# Allegro board T736_DEMO_CORE_AXP8191_LP4_4X_32X1_V0_5-draft.brd (continued)
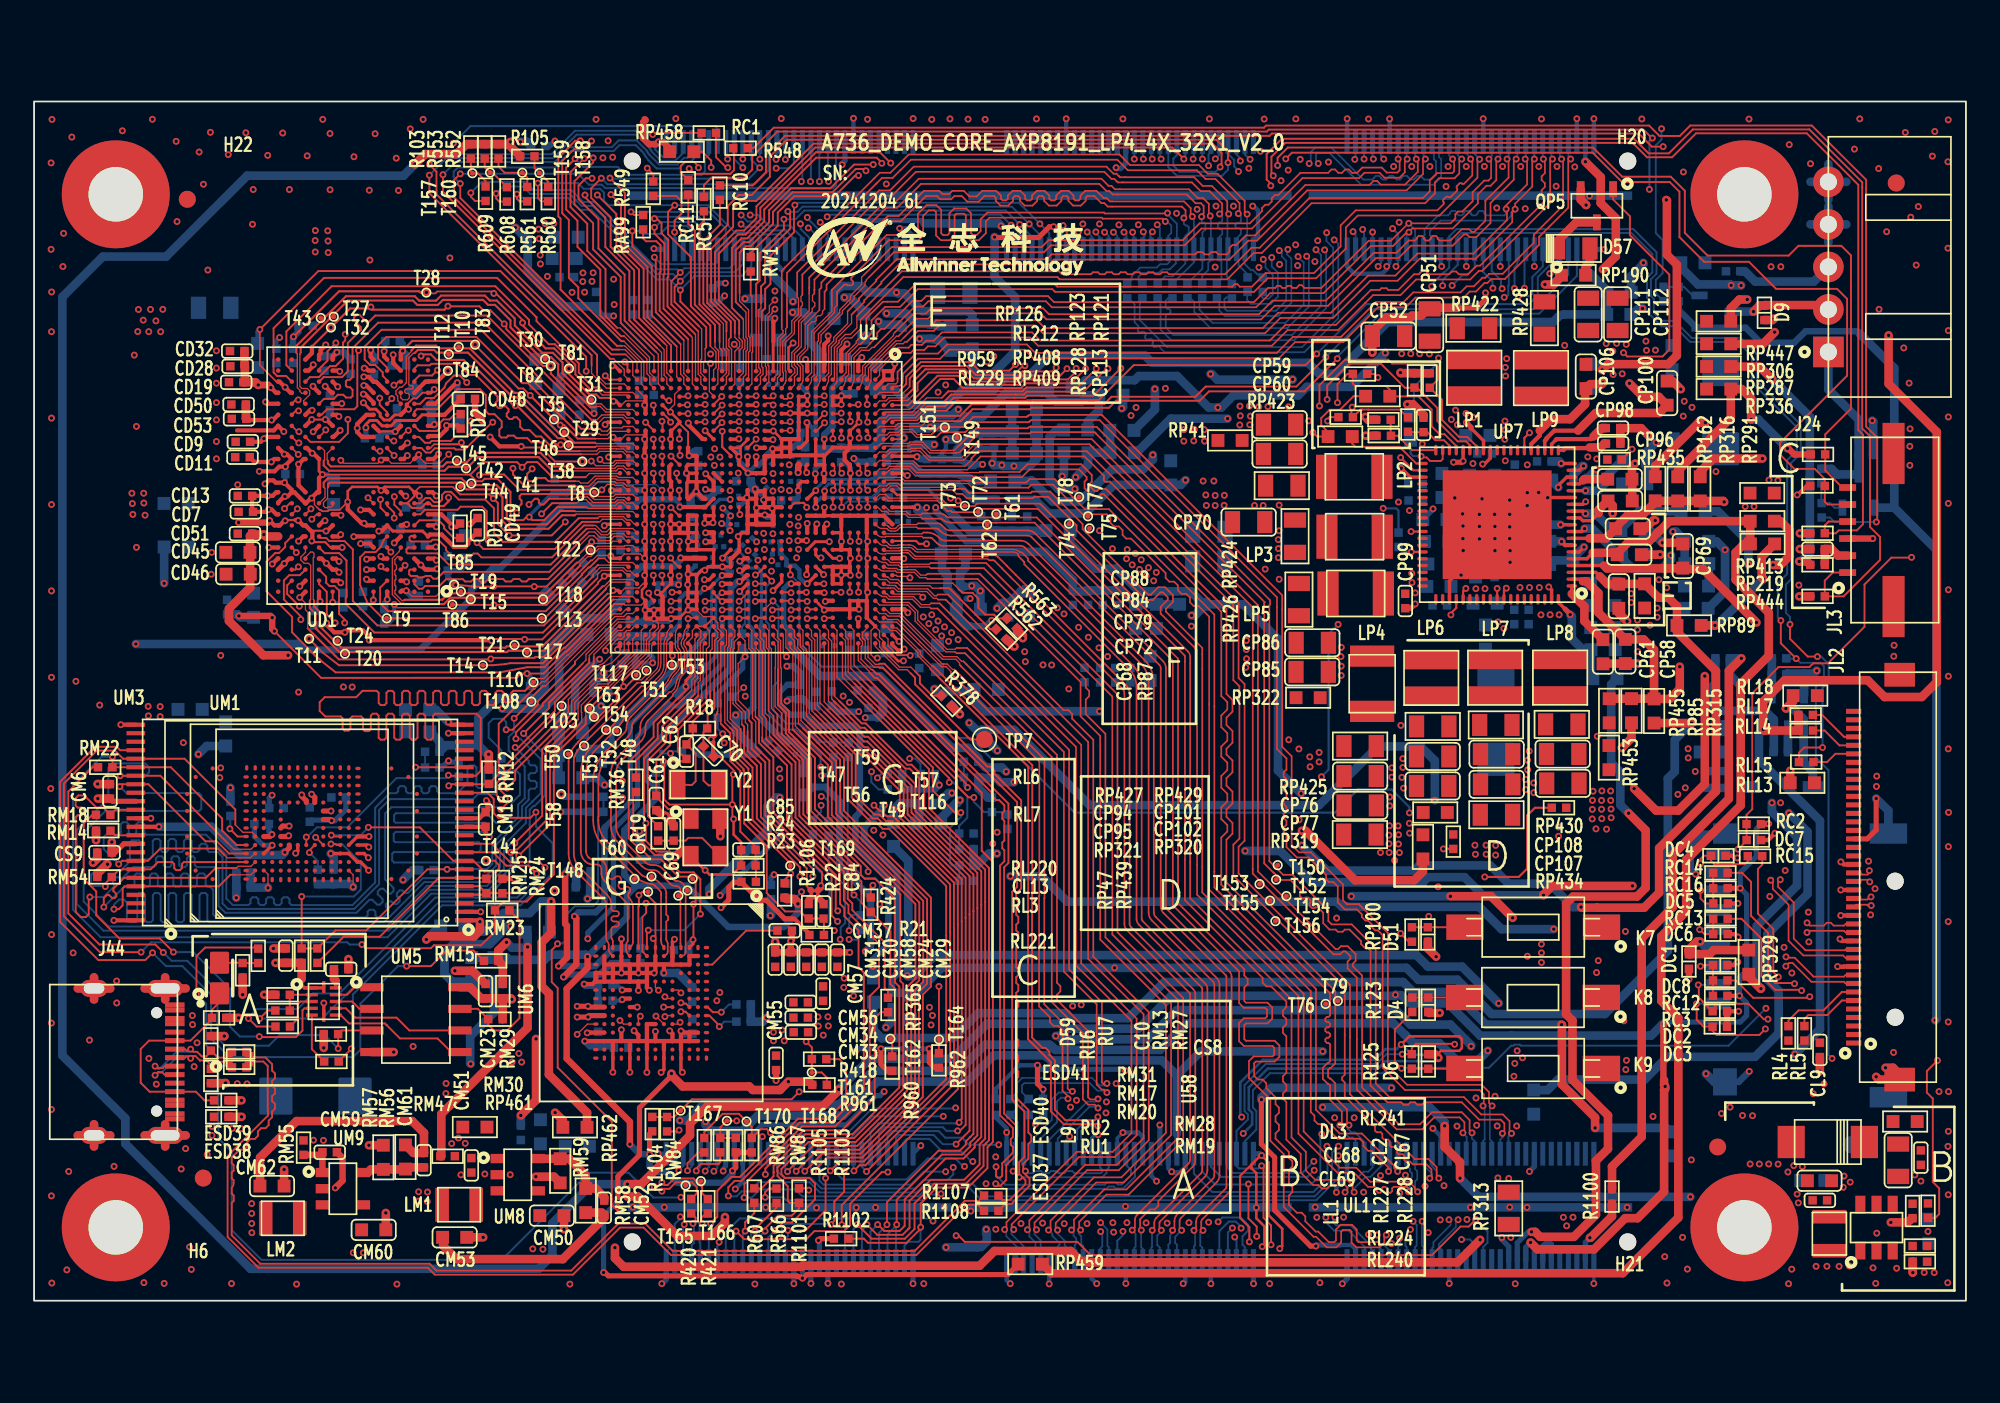
[diagram p0: board, top side]
## Routing (per net, layer and track width the routed paths; a pad name or vN(x,y) marks a point on that pad's centre or on a via; arc(x,y) is an arc through that point) (continued)
  TOP w0.254: UD1.K11 15.29,47.53 UD1.J10 15.97,46.88 16.27,47.18 v1(16.31,47.18) 16.31,47.21 16.64,47.53 UD1.K9 16.74,48.37 v1(16.94,48.57) ; UD1.K11 14.91,47.3 14.75,47.3 v1(14.74,47.28) 14.7,47.28 14.34,46.93 UD1.J12 ; UD1.K11 15.14,47.66 v1(14.72,48.09) 14.2,48.09 14.06,48.23 13.78,48.23 v1(13.57,48.02) ; U1.AH30 36.97,40.1 v1(37.42,40.1) 37.47,40.15 U1.AF30 ; U1.AH30 U1.AH29 ; U1.AH30 36.87,40.1 v1(36.42,40.1) ; v1(43.36,46.59) 43.36,46.59 43.41,46.65 ; v1(43.36,46.59) 43.36,46.53 43.42,46.47 U1.R18 42.97,46.15 v1(42.93,46.19) 42.47,46.19 U1.U18 ; v1(43.36,46.59) 43.29,46.59 43.23,46.65 42.93,46.65 U1.T17 ; v1(35.9,40.61) 35.92,40.63 U1.AK28 ; v1(35.9,40.61) v1(36.42,40.61) ; v1(35.9,40.61) 35.92,40.58 U1.AK30 35.97,40.1 v1(36.42,40.1) ; v1(21.89,45.64) 21.73,45.64 21.67,45.58 UD1.G3 ; v1(37.34,15.86) 37.51,15.7 UM6.E12 ; v1(37.01,19.27) UM6.F3 ; UM6.F3 UM6.G3 ; UM6.F3 UM6.E3 ; UM6.M12 UM6.N12 UM6.P12 32.36,15.26 v1(32.36,15.26) ; UM6.M12 UM6.M13 ; UM6.M12 UM6.L12 ; U1.A2 U1.B2 U1.C3 ; DC6.1 99.95,21.55 v1(100.12,21.38) ; JL2.19 v1(106.14,24.15) ; U1.D18 U1.D20 ; U1.D18 U1.E18 U1.F18 U1.G18 ; U1.D18 U1.C18 U1.B18 U1.A19 ; v1(17.84,53.73) UD1.Y8 ; v1(34.28,38.28) 34.3,38.3 34.3,38.37 34.42,38.5 U1.AN33 ; v1(37.4,45.65) v1(37.9,45.65) ; v1(37.4,45.65) 37.4,46.12 U1.AG18 ; v1(37.4,45.65) 37.4,45.17 U1.AG20 ; v1(37.9,45.65) 38.41,45.65 ; v1(37.9,45.65) 37.92,45.63 U1.AF20 ; v1(28.62,50.23) 27.34,50.23 v1(26.79,50.77) ; v1(42.86,47.08) 42.92,47.15 U1.T15 42.87,47.59 42.48,47.59 v1(42.36,47.71) 42.36,47.57 42.36,47.56 42.36,47.54 42.42,47.48 U1.U16 ; v1(42.86,47.08) 42.86,46.99 42.92,46.93 U1.T17 ; v1(42.86,47.08) 42.95,47.08 42.95,47.09 42.98,47.09 43.04,47.15 U1.R16 43.42,46.66 43.41,46.65 ; UM6.K12 UM6.J12 ; UM6.K12 UM6.L12 ; UM6.K12 UM6.K13 ; UM6.J12 35.51,15.62 v1(35.25,15.87) ; UM6.J12 UM6.H12 ; v1(23.63,45.49) 23.54,45.58 UD1.G1 ; U1.P10 43.86,50.08 v1(43.39,50.08) 43.41,50.06 43.41,49.65 ; v1(21.93,50.42) 21.92,50.41 21.89,50.41 21.61,50.13 UD1.P3 ; U1.AC16 39.32,47.15 v1(38.9,47.57) ; v1(48.97,41.65) 48.92,41.7 U1.D26 ; U1.AE10 38.42,49.73 v1(38.48,49.67) 38.9,49.67 U1.AD11 U1.AD12 ; U1.V15 41.92,47.3 41.88,47.25 41.88,47.22 v1(41.87,47.21) ; 46.42,49.65 46.37,49.7 44.47,49.7 U1.N11 ; v1(20.38,43.76) 20.51,43.63 UD1.D4 ; U1.W22 41.42,44.08 40.99,43.65 U1.Y23 ; v1(42.44,46.61) 42.44,46.67 42.42,46.68 U1.U16 ; v1(42.44,46.61) 42.46,46.61 42.5,46.65 U1.T17 ; v1(42.44,46.61) 42.44,46.59 42.42,46.57 U1.U18 ; UM6.C11 38.1,15.76 v1(38.01,15.85) UM6.D12 ; UM6.C11 UM6.C12 ; UM6.C11 UM6.B11 ; CM16.2 26.17,28.36 UM3.13 ; UM6.G12 UM6.H12 ; UM6.G12 UM6.F12 ; UM6.G12 v1(36.51,15.83) ; UM6.H12 UM6.H13 ; UM6.H12 UM6.H10 UM6.G10 ; U1.U18 U1.U19 U1.V19 ; U1.U18 U1.V18 ; U1.AG26 37.42,42.62 v1(37.4,42.65) 37.42,42.68 U1.AG24 ; U1.AD14 38.92,47.59 v1(38.9,47.57) ; JL2.13 106.21,21.15 v1(106.1,21.26) ; 43.41,46.65 U1.P17 ; UD1.G5 19.51,45.58 v1(19.39,45.7) 19.24,45.7 18.43,46.52 v1(18.43,46.96) ; UM6.J3 UM6.J2 ; UM6.J3 UM6.H3 ; UM6.J3 v1(35.51,19.27) ; UM6.J3 UM6.K3 ; UD1.D11 14.99,43.63 v1(14.7,43.34) ; UD1.V12 13.72,52.73 v1(13.61,52.84) ; v1(41.87,47.21) 41.92,47.21 41.98,47.15 U1.U16 ; v1(41.87,47.21) 41.84,47.21 41.77,47.15 U1.W16 ; v1(41.87,47.21) 41.92,47.16 U1.V17 U1.V18 ; JL2.16 v1(106.14,22.65) ; U1.L1 45.42,55.24 v1(45.33,55.33) ; UM6.E3 UM6.E2 UM6.E1 ; UM6.E3 UM6.D3 UM6.C3 UM6.C2 UM6.B2 ; U1.AK4 35.92,52.7 v1(35.87,52.65) 35.92,52.6 U1.AK6 ; v1(34.51,15.93) UM6.L12 ; U1.AG20 37.42,44.68 v1(37.4,44.65) 37.42,44.62 U1.AG22 ; U1.AG20 U1.AF20 ; UM6.N3 UM6.N4 ; UM6.N3 UM6.M3 ; UM6.N3 UM6.N2 ; UM6.N4 UM6.M4 ; UM6.N4 UM6.N5 ; UM6.N4 UM6.P4 ; UM6.K3 35.01,19.27 ; UM6.K3 UM6.L3 ; 35.01,19.27 v1(34.51,19.27) ; 35.01,19.27 v1(35.51,19.27) ; 35.01,19.27 UM6.K5 ; v1(47.97,47.64) 47.92,47.68 U1.F14 ; U1.V19 U1.V20 ; U1.V19 U1.V18 ; 38.41,45.65 38.42,45.66 U1.AE18 U1.AD18 ; 38.41,45.65 38.42,45.64 U1.AE20 U1.AF20 ; v1(23.67,43.02) 23.67,43.02 23.63,42.98 UD1.C1 22.99,42.98 v1(22.72,43.25) 22.52,43.46 UD1.D2 ; 15.35,45.9 15.5,45.9 v1(15.52,45.87) 15.81,45.58 UD1.G10 16.35,45.17 16.35,44.7 v1(16.32,44.66) ; v1(26.88,38.81) 26.85,38.83 v1(19.69,38.83) 19.69,39.04 19.32,39.41 18.38,39.41 v1(18.26,39.3) 17.63,39.3 17.18,39.75 v1(17.18,39.84) ; v1(34.51,19.27) 34.5,19.26 UM6.M4 ; v1(34.51,19.27) UM6.L3 ; v1(24.87,53.97) 24.82,53.97 23.58,52.73 UD1.V1 ; UM6.H3 36.01,19.27 ; UM6.H3 UM6.G3 ; 36.01,19.27 v1(35.51,19.27) ; 36.01,19.27 UM6.H5 ; 36.01,19.27 v1(36.43,19.27) 36.51,19.34 UM6.G3 ; v1(19.78,55.89) 19.78,55.5 UD1.AB5 ; U1.AE24 v1(38.42,42.71) 38.42,42.61 38.42,42.61 38.42,42.11 v1(38.4,42.1) ; 47.42,45.52 U1.G18 ; U1.G18 U1.H18 ; DC8.1 99.84,19.73 99.99,19.89 100.07,19.89 v1(100.1,19.92) ; v1(16.31,51.8) UD1.T10 ; 14.71,45.85 14.44,45.58 UD1.G12 14.12,45.58 v1(13.84,45.86) ; 14.71,45.85 14.75,45.9 ; 14.71,45.85 v1(14.75,45.85) ; v1(106.15,25.8) 106.17,25.8 106.32,25.65 JL2.22 ; UD1.T8 17.17,51.8 v1(17.11,51.8) ; UM3.48 v1(4.69,22.36) ; U1.AG16 37.4,47.18 v1(37.4,47.65) 37.42,47.68 U1.AG14 37.32,48.25 37.32,49.05 U1.AG12 ; 20.27,51.1 UD1.T5 ; UD1.T1 23.43,51.43 v1(23.51,51.52) ; U1.E28 48.42,40.69 v1(48.47,40.65) 47.92,40.65 U1.F29 U1.H29 46.47,40.65 v1(46.42,40.61) ; UD1.A3 21.6,41.74 v1(21.87,41.74) ; UD1.E5 19.72,44.51 v1(19.18,44.51) ; v1(47.96,48.65) 47.92,48.68 U1.F12 47.9,49.15 47.62,49.43 47.62,49.83 47.79,50 47.79,50.01 U1.F10 47.92,50.58 47.95,50.61 v1(47.95,50.71) 47.95,50.8 47.92,50.83 U1.F8 ; v1(45.42,52.18) 45.39,52.15 U1.M6 ; v1(16.39,53.76) 16.45,53.7 16.45,53.68 UD1.W9 ; U1.J14 46.42,48.59 46.41,48.6 v1(46.41,48.63) 46.41,48.65 46.42,48.67 U1.J12 ; UM6.H5 36.01,18.4 v1(36.15,18.25) ; UM6.H5 UM6.J5 ; v1(13.24,48.76) 14.13,48.76 14.4,49.03 v1(14.77,49.03) 14.77,49.1 UD1.N11 14.86,49.77 v1(14.7,49.77) 14.7,49.78 UD1.P12 ; U1.G1 47.42,55.88 47.76,56.22 v1(47.76,56.24) ; 43.41,49.65 43.42,49.63 U1.R12 ; 43.41,49.65 U1.T11 U1.T13 U1.U13 41.95,48.65 v1(41.95,48.66) ; 43.41,49.65 U1.P11 U1.N11 ; 40.03,33.26 v1(39.77,33) 39.77,32.96 39.9,32.83 39.9,32.03 C70.2 ; v1(18.08,52.75) 18.06,52.73 UD1.V8 ; U1.G20 47.42,44.64 v1(47.43,44.63) 47.42,44.62 U1.G22 ; UM6.D12 UM6.D13 ; UM6.D12 UM6.E12 ; UM6.D12 UM6.C12 ; U1.F22 47.92,43.68 v1(47.96,43.65) ; v1(43.53,57.76) 43.53,57.65 43.44,57.56 43.44,56.4 ; v1(14.68,51.1) 14.34,51.43 UD1.T12 14.08,51.16 11.93,51.16 ; UM6.M5 UM6.N5 ; UM6.M5 UM6.K5 ; UM6.M5 UM6.M4 ; UM6.N5 UM6.P5 32.95,18.76 32.8,18.61 v1(32.32,18.61) ; UM6.E12 UM6.F12 ; v1(35.87,42.65) 35.92,42.7 U1.AK24 35.92,43.6 v1(35.87,43.65) 35.92,43.7 U1.AK22 35.92,44.6 v1(35.87,44.65) 35.92,44.7 U1.AK20 35.92,45.6 v1(35.87,45.65) 35.92,45.7 U1.AK18 35.92,46.6 v1(35.87,46.65) 35.92,46.7 U1.AK16 35.92,47.6 v1(35.87,47.65) 35.92,47.7 U1.AK14 35.92,48.6 v1(35.87,48.65) 35.92,48.7 U1.AK12 35.92,49.6 v1(35.87,49.65) 35.87,50.1 U1.AK10 35.92,50.6 v1(35.87,50.65) 35.92,50.7 U1.AK8 ; UM6.J5 UM6.K5 ; UM6.J5 v1(35.51,18.24) ; UM3.2 v1(26.24,22.86) ; U1.AE16 38.48,47.15 v1(38.9,47.57) ; UD1.K2 22.41,47.53 v1(22.63,47.31) ; v1(48.63,55.45) 48.42,55.24 U1.E1 ; U1.AG10 37.42,50.62 v1(37.4,50.65) 37.42,50.68 U1.AG8 ; DC4.1 99.77,26.16 99.9,26.03 v1(100.07,26.03) ; v1(17.15,45.25) 17.21,45.25 UD1.G8 ; UM1.AA6 v1(19.68,27.29) ; UD1.AB3 21.54,55.75 21.63,55.84 v1(21.66,55.84) ; v1(36.42,40.61) 36.47,40.65 U1.AH29 ; v1(36.42,40.61) v1(36.42,40.1) ; UM6.L3 UM6.M3 ; UM6.L3 UM6.L2 ; UM6.M3 UM6.M4 ; v1(20.39,49.42) 20.45,49.48 UD1.N4 ; v1(37.5,37.91) 37.42,37.99 U1.AG33 ; UD1.N9 16.41,49.82 v1(16.34,49.82) 16.03,50.13 UD1.P10 ; UM3.23 v1(24.34,33.36) ; 44.44,50.65 U1.M9 ; 44.44,50.65 44.42,50.63 U1.N11 ; 44.44,50.65 U1.P9 ; UD1.E1 23.57,44.28 v1(23.6,44.31) ; UD1.K4 20.64,47.64 v1(20.39,47.64) ; v1(46.66,56.72) 46.66,56.44 46.42,56.21 U1.J1 ; UM6.C12 UM6.B12 ; UD1.W2 22.99,54.03 UD1.Y1 23.16,54.05 23.7,54.05 v1(24.31,54.67) ; v1(19.35,53.3) 19.45,53.3 19.94,52.8 UD1.V5 ; U1.AD22 U1.AE22 ; v1(40.42,41.11) 40.46,41.15 U1.Y28 ; UM6.F12 UM6.F13 ; UD1.T3 21.54,51.41 v1(21.22,51.09) ; 16.32,56.07 16.32,55.71 UD1.AB10 ; DC5.1 v1(100.1,23.36) ; v1(51.34,40.44) 51.13,40.65 U1.A29 ; U1.H4 47.37,53.15 v1(47.42,53.2) ; U1.AH29 U1.AH28 36.92,41.39 36.67,41.65 36.63,41.65 v1(36.62,41.64) ; v1(13.79,44.28) UD1.E12 ; UM6.G3 UM6.G2 ; v1(48.42,40.09) U1.E31 ; U1.AD27 U1.AD28 38.46,41.15 v1(38.42,41.11) ; 46.92,42.67 U1.H24 U1.G24 U1.F24 47.92,42.68 v1(47.96,42.65) ; 46.92,42.67 46.93,42.66 ; 46.92,42.67 U1.H26 ; v1(105.96,19.65) 105.98,19.63 106.32,19.63 106.33,19.65 JL2.10 ; UD1.Y12 14.42,54.03 v1(14.75,53.7) 15.07,53.38 UD1.W11 ; UM6.N11 UM6.P11 32.66,15.76 32.65,15.75 v1(32.5,15.75) ; v1(17.92,42.82) 17.76,42.98 UD1.C8 17.54,42.98 v1(17.17,43.35) 16.89,43.63 UD1.D9 ; U1.L18 U1.K18 U1.J18 46.42,46.63 v1(46.43,46.64) ; DC7.1 101.88,27.08 v1(102.28,27.48) ; v1(19.53,42.98) UD1.C5 ; UD1.E8 v1(18.1,44.28) ; UD1.W4 20.09,54.03 UD1.Y5 19.66,54.31 v1(19.37,54.31) ; 49.93,54.65 U1.A1 ; UD1.N2 v1(22.6,49.74) ; UD1.A10 v1(15.61,41.34) ; U1.A23 51.08,43.65 v1(51.1,43.63) ; UM3.25 v1(5.1,33.86) ; UM3.36 v1(6.86,28.36) ; UD1.AB8 17.54,55.52 v1(17.79,55.76) ; DC2.1 v1(100.15,17.02) ; U1.D30 U1.D28
  TOP w0.305: U1.U19 U1.R19 U1.R18 ; v1(15.73,29.74) 15.73,29.66 15.99,29.39 UM1.R10 ; v1(108.23,29.53) 108.23,27.68 107.7,27.15 JL2.25 ; 83.62,58.36 84.76,58.36 85.28,58.88 v1(85.28,59.25) ; UM6.P4 UM6.P5 ; v1(26.57,29.4) 26.66,29.32 26.66,28.85 CM16.2 ; v1(14.7,43.34) 14.7,43.34 UD1.C12 ; CD49.2 26.02,46.01 25.67,45.66 v1(25.61,45.66) ; CP99.1 80.89,40.71 v1(81.14,40.96) ; UM1.U8 17.38,28.29 17.45,28.22 v1(17.49,28.22) ; v1(14.99,27.91) 14.61,27.91 UM1.M7
  TOP w0.381: JL3.3 v1(108.03,44.81) ; v1(45.85,23.92) 46.22,24.28 v1(46.22,24.4) ; v1(45.85,23.92) 45.62,24.15 ; v1(45.85,23.92) 45.51,23.57 R22.1 ; v1(45.85,23.92) 46.38,23.38 C84.2 ; v1(12.03,40.26) 13.89,40.26 v1(13.99,40.15) 13.99,39.49 v1(14.12,39.37) ; v1(26.3,51.76) 26.3,51.77 25.91,52.16 CD48.2 ; CM59.1 18.13,8.4 18.13,7.06 v1(17.7,6.63) ; RP458.2 37.35,67.74 36.96,68.12 v1(36.69,68.12) 36.67,68.12 36.54,67.99 36.13,67.99 35.78,68.34 35.78,69.27 35.92,69.41 35.88,69.46 ; CM30.2 v1(44.46,21.15) 44.53,21.22 CM37.2 ; CM30.2 CM58.2 CM24.2 CM29.2 v1(47.92,20.48) ; CM30.2 CM31.2 ; v1(13.84,45.86) 13.73,45.75 v1(12.02,45.75) ; v1(43.59,12.95) CM55.2 ; DC1.1 v1(97.22,18.9) ; DC3.1 99.46,17.01 DC2.1
  TOP w0.508: ESD41.1 v1(12.02,16.63) ; v1(37.66,26.08) 38.05,26.47 38.23,26.47 Y1.2 ; J44.3 4.48,18.36 ; J44.3 3.52,19.01 ; J44.3 3.52,17.71 ; J44.3 2.57,18.36 ; v1(58.09,38.95) 58.09,39.1 57.76,39.38 R563.1 ; CP113.1 81.63,52.08 81.01,52.7 v1(80.67,52.7) ; 83.62,58.36 82.05,58.36 CP51.1 81.56,57.99 81.48,57.91 80.95,57.91 80.84,57.8 79.43,57.8 78.62,56.99 CP52.1 v1(78.62,55.74) ; D6.1 82.3,14.49 v1(82.51,14.28) ; v1(31.13,4.2) CM50.2 ; ESD40.1 11.18,15.55 v1(11.18,15.56) ; v1(57.6,38.46) 57.57,38.46 57.24,38.79 R562.1 ; CS9.2 3.72,26 v1(3.46,25.75) ; v1(95.67,44.56) 96.79,44.56 CP69.2 ; v1(108.23,13.17) 108.39,13 JL2.42 109.61,13.31 109.21,13.7 v1(108.77,13.7) ; Y1.4 v1(40.32,27.3) ; CP79.2 94.65,45.39 95.14,45.88 v1(95.25,45.88) ; v1(93.59,39.94) 93.11,40.43 CP68.2 ; v1(96.74,53.58) 96.26,54.07 CP100.2 ; R378.1 53.9,34.97 v1(54.39,34.48) ; v1(82.58,16.92) 81.97,16.92 D4.1 ; J44.2 8.91,9.72 ; J44.2 7.7,9.07 ; J44.2 7.7,10.37 ; J44.2 6.5,9.72 ; CS8.2 v1(18.47,20.09) ; CP84.2 93.9,48.28 CP88.2 93.88,49.03 v1(94.06,49.22) ; J44.1 8.91,18.36 ; J44.1 7.7,17.71 ; J44.1 7.7,19.01 ; J44.1 6.5,18.36 ; CM31.2 v1(43.54,21.11) ; v1(94.83,50.87) 94.42,51.29 93.2,51.29 ; CM60.2 v1(20.66,5.16) ; J44.4 3.52,10.37 ; J44.4 3.52,9.07 ; J44.4 2.57,9.72 ; J44.4 4.48,9.72 ; ESD39.1 v1(12.19,11.78) ; ESD38.1 v1(12.2,10.81) ; v1(110.38,1.65) 110.37,1.67 RL240.1 ; v1(95.53,43.87) 95.52,43.86 CP72.2 ; ESD37.1 11.24,12.79 v1(11.26,12.8) ; RL227.1 110.05,4.61 v1(109.08,4.61) ; 93.2,51.29 CP96.2 ; 93.2,51.29 CP98.2 ; v1(82.37,20.23) 81.89,20.71 D51.1 ; RP409.2 v1(78.24,50.85) ; v1(3.74,30.38) 3.75,30.37 CM6.2 ; UM5.4 v1(21.13,14.62) ; CM62.2 v1(14.69,7.72) ; v1(91.18,64.41) 91.18,64.42 90.87,64.74 QP5.2 ; v1(102.22,57.74) 102.14,57.65 D9.1 ; CM53.2 v1(26.39,3.73) ; RM59.1 30.55,7.29 v1(29.48,7.29) ; C69.2 37.45,28.26 37.16,28.43 37.12,28.46 v1(37.11,28.49) 37.07,28.49 37.04,28.52 37.02,28.52 C61.2 ; C10.2 v1(14.06,20.71) ; CL9.1 v1(104.92,13.49) ; RL13.1 v1(103.18,31.16) ; v1(24.72,19.4) 25.75,19.4 26.28,18.87 CM23.2 ; RM57.1 v1(19.68,9.14) ; CL13.2 v1(103.73,44.19) ; CP61.2 92.18,37.46 CP58.2 v1(94.21,37.46)
  L2GND w0.508: J44.4 3.52,10.37 ; J44.4 3.52,9.07 ; J44.4 2.57,9.72 ; J44.4 4.48,9.72 ; J44.2 8.91,9.72 ; J44.2 6.5,9.72 ; J44.2 7.7,10.37 ; J44.2 7.7,9.07 ; 6.5,18.36 J44.1 ; J44.1 7.7,17.71 ; J44.1 7.7,19.01 ; J44.1 8.91,18.36 ; 3.52,17.71 J44.3 ; J44.3 4.48,18.36 ; J44.3 3.52,19.01 ; J44.3 2.57,18.36 ; J24.5 105.42,66.83 ; J24.5 105.42,64.72 ; J24.5 106.47,65.78 ; J24.5 104.36,65.78 ; 105.42,62.22 J24.4 ; J24.4 105.42,64.33 ; J24.4 106.47,63.28 ; J24.4 104.36,63.28
  L3 w0.508: J44.4 3.52,10.37 ; J44.4 4.48,9.72 ; J44.4 2.57,9.72 ; J44.4 3.52,9.07 ; J44.2 7.7,10.37 ; J44.2 8.91,9.72 ; J44.2 7.7,9.07 ; J44.2 6.5,9.72 ; J24.4 105.42,64.33 ; J24.4 104.36,63.28 ; J24.4 106.47,63.28 ; 105.42,64.72 J24.5 ; J24.5 104.36,65.78 ; J24.5 105.42,66.83 ; J24.5 106.47,65.78
  L4 w0.076: v1(36.42,40.61) v1(35.9,40.61)
  L4 w0.114: v1(14.75,53.7) 14.47,53.7 v1(13.61,52.84) ; v1(15.24,56.67) 15.5,56.93 15.5,57.56 16.91,58.96 19.24,58.96 v1(19.79,58.42) 20.64,59.27 23.04,59.27 v1(23.05,59.28) 23.05,59.28 23.06,59.27 26.96,59.27 v1(27.01,59.22) 31.54,59.22 v1(31.61,59.28) 32.34,59.28 v1(32.35,59.29) ; v1(72.33,43.01) 72.43,42.91 72.43,41.68 72.69,41.41 72.69,34.91 73.64,33.96 73.64,33.06 v1(73.71,32.98) 73.64,32.9 73.64,31.35 76.16,28.83 76.16,25.76 78.25,23.67 78.25,20.74 80.45,18.54 80.45,16.53 79.59,15.68 79.59,13.48 80.21,12.87 80.21,12.16 78.8,10.76 v1(77.56,10.76) v1(76.41,10.76) 75.47,10.76 75.23,10.51 75.23,9.55 75.39,9.39 75.75,9.39 75.79,9.43 75.8,9.43 75.93,9.56 78.25,9.56 80.8,12.11 80.8,14.59 v1(80.32,15.07) 80.32,15.49 80.9,16.07 80.9,18.93 78.74,21.1 78.74,23.91 76.71,25.93 76.71,28.97 76.6,29.09 76.58,29.09 74.38,31.29 74.38,32.37 v1(74.31,32.44) 74.31,33.94 73.15,35.09 v1(73.15,42.41)
  L4 w0.127: v1(73.19,3.06) 73.19,3.3 72.64,3.84 72.31,3.84 ; 72.31,3.84 72,4.15 71.68,4.15 71.46,3.94 71.46,3.53 v1(71.4,3.46) 71.36,3.46 70.61,2.71 46.13,2.71 45.87,2.97 38.7,2.97 36.44,5.22 v1(36.44,6.71) 36.44,7.48 37.63,8.67 39.85,8.67 40.87,9.7 40.87,10.85 41.91,11.89 41.91,26.49 42.39,26.96 42.39,31.8 41.87,32.31 41.87,35.35 41.78,35.44 v1(41.78,35.54) ; 72.31,3.84 72.24,3.77 72.24,3.26 v1(72.16,3.18) ; v1(15.24,56.67) 11.54,52.96 11.54,46.57 12.02,46.09 v1(12.02,45.75) 12.02,44.35 13.99,42.38 v1(13.99,40.15) 16.84,37.31 20.53,37.31 20.95,37.73 v1(26.83,37.73) 27.06,37.73 27.17,37.83 31.86,37.83 36.1,42.08 37.06,42.08 37.4,42.41 v1(37.4,42.65)
  L4 w0.152: v1(80.32,48.94) 80.43,49.05 81.61,49.05 81.88,49.31 81.88,50.05 v1(81.56,50.37) 81.54,50.39 80.59,50.39 80.56,50.41 78.91,50.41 78.47,50.85 v1(78.24,50.85) 77.98,50.85 77.56,50.44 75.29,50.44 74.7,49.85 74.7,35.68 78.04,32.34 79.93,32.34 80.4,31.87 v1(80.41,31.87) 80.42,31.86 v1(80.42,31.35) 80.36,31.29 v1(80.36,30.77) 80.36,30.47 80.46,30.36 v1(80.46,30.13) 81.2,29.4 81.2,23.64 81.94,22.9 v1(81.94,22.6) 82.24,22.6 83.36,21.48 83.36,16.69 83.01,16.35 83.01,14.78 v1(82.51,14.28) 83.4,14.28 83.98,14.86 83.98,21.93 82.38,23.52 82.38,24.19 82.43,24.24 82.43,24.27 v1(82.49,24.33) 82.44,24.39 82.39,24.39 81.78,24.99 81.78,31.86 80.41,33.22 79.85,33.22 ; v1(72.16,3.18) 72.18,3.15 72.18,2.94 71.44,2.2 45.83,2.2 45.55,2.47 38.51,2.47 35.8,5.18 35.8,7.71 36.67,8.57 v1(36.67,8.64) 37.18,9.16 39.47,9.16 40.39,10.07 40.39,10.13 40.39,10.13 40.39,10.54 40.39,11.24 41.31,12.16 41.31,26.94 41.83,27.46 41.83,31.47 40.55,32.75 v1(40.55,32.79) ; 40.64,26.07 40.8,25.91 40.8,12.37 39.9,11.47 39.9,10.34 39.21,9.65 36,9.65 35.5,9.16 35.5,8.11 35.29,7.89 35.29,6.33 35.3,6.32 35.3,5.61 v1(35.19,5.5) 35.19,5.09 38.3,1.98 45.34,1.98 45.62,1.7 71.91,1.7 73.19,2.98 v1(73.19,3.06)
  L4 w0.508: J44.4 3.52,10.37 ; J44.4 4.48,9.72 ; J44.4 2.57,9.72 ; J44.4 3.52,9.07 ; J44.3 4.48,18.36 ; J44.3 2.57,18.36 ; J44.3 3.52,19.01 ; J44.3 3.52,17.71
  L5GND w0.508: J44.2 8.91,9.72 ; J44.2 7.7,10.37 ; J44.2 6.5,9.72 ; J44.2 7.7,9.07 ; J44.3 3.52,19.01 ; J44.3 4.48,18.36 ; J44.3 2.57,18.36 ; J44.3 3.52,17.71 ; J24.4 105.42,64.33 ; J24.4 104.36,63.28 ; J24.4 106.47,63.28 ; J24.4 105.42,62.22 ; J24.5 106.47,65.78 ; J24.5 105.42,66.83 ; J24.5 105.42,64.72 ; J24.5 104.36,65.78 ; J44.1 8.91,18.36 ; J44.1 6.5,18.36 ; J44.1 7.7,19.01 ; J44.1 7.7,17.71 ; J44.4 4.48,9.72 ; J44.4 3.52,9.07 ; J44.4 2.57,9.72 ; J44.4 3.52,10.37
  BOTTOM w0.076: J48.182 57.46,5.49 57.26,5.29 55.05,5.29 v1(55.03,5.27) ; 75.55,1.24 v1(75.55,1.06) ; v1(108.77,13.7) 108.9,13.7 ; 70.94,64.97 J47.182
  BOTTOM w0.114: J48.75 60.64,9.45 v1(60.84,9.65) ; J47.83 66.14,63.06 65.99,63.21 v1(65.99,63.26) ; J47.105 60.64,62.41 60.41,62.64 60.41,63.07
  BOTTOM w0.152: C46.2 41.41,44.07 41.97,43.51 C35.2 ; v1(71.04,9.83) 71.29,10.09 71.56,10.36 71.56,11.05 71.36,11.25 71.36,12.53 72.48,13.65 78.96,13.65 79.4,14.09 82.32,14.09 v1(82.51,14.28) 82.33,14.46 80.96,14.46 80.35,15.07 v1(80.32,15.07) 80.05,14.79 79.4,14.79 79.35,14.74 79.34,14.74 78.77,14.16 72.2,14.16 70.87,12.84 70.87,10.88 v1(70.95,10.8) ; v1(60.46,63.2) 60.41,63.16 60.41,63.07
  BOTTOM w0.203: v1(29.09,46.07) 29.09,46.14 30.42,47.47 CD58.2 ; v1(82.7,60.81) 82.7,60.93 82.64,60.98 J47.37 ; J47.49 79.64,60.97 v1(79.47,60.81) ; v1(63.97,9.89) 63.64,9.56 J48.87 ; J48.81 62.14,9.55 62.34,9.76 v1(62.51,9.76) ; v1(35.87,44.65) 35.87,44.31 35.67,44.11 CD36.2 ; J48.180 91.64,1.01 v1(91.64,1.01)
  BOTTOM w0.254: v1(48.14,69.51) 48.14,69.51 J47.136 ; C82.2 38.48,42.83 38.48,42.77 v1(38.42,42.71) ; v1(45.42,42.15) 45.33,42.15 44.97,42.52 44.97,42.95 44.71,43.21 44.26,43.21 C257.2 44.2,43.58 43.93,43.85 C55.2 ; v1(41.37,44.93) 41.62,45.18 41.84,45.18 ; v1(14.72,48.09) 14.77,48.14 CD12.2 v1(14.77,49.03) ; J48.143 82.64,9.67 v1(82.18,10.13) ; CD25.2 23.05,44.31 v1(23.6,44.31) ; CD38.2 38.84,46.65 C134.2 ; v1(85.14,69.49) 85.14,69.49 J47.28 ; v1(41.95,48.66) 42.41,49.12 C68.2 ; v1(91.64,69.49) 91.64,69.49 J47.2 ; v1(79.64,69.48) 79.64,69.48 J47.50 ; v1(76.51,6.37) 76.51,6.67 77.14,7.3 J48.121 ; v1(40.49,7.63) 40.49,7.76 40.64,7.91 J48.15 ; C247.2 53.34,49.83 53.57,50.06 v1(53.57,50.63) ; v1(16.94,48.57) 17.26,48.57 CD3.2 ; J47.59 77.14,60.8 77.56,60.38 78.78,60.38 78.79,60.38 79.14,60.38 79.15,60.38 79.2,60.38 79.47,60.65 v1(79.47,60.81) ; v1(42.79,9.65) 42.79,9.64 42.64,9.49 J48.23 ; CD47.2 21.83,45.64 v1(21.89,45.64) ; v1(60.64,69.49) 60.64,69.48 J47.106 ; CD17.2 13.13,56.96 v1(13.27,57.1) ; C65.2 40.83,42.84 40.52,43.15 v1(40.44,43.15) 39.9,43.15 C81.2 ; C83.2 38.71,44.92 v1(38.44,44.64) ; R967.1 56.51,10.77 57.14,10.14 v1(57.14,9.9) 57.14,9.35 57.15,9.35 57.15,8.99 57.14,8.98 J48.61 ; J47.121 51.64,62.61 51.21,63.04 v1(50.85,63.04) ; v1(66.83,7.58) 66.64,7.78 J48.99 ; v1(67.51,1) 67.64,1.13 J48.104 ; JC1.6 99.71,22.96 v1(100.1,23.36) ; J48.82 62.14,1.3 v1(62.43,1) ; v1(59.64,0.99) J48.72 ; CD4.2 17.04,39.7 v1(17.18,39.84) ; v1(41.2,6.57) 41.64,7.01 J48.19 ; v1(57.35,1) 57.14,1.22 J48.62 ; 47.96,48.95 47.69,49.23 C5.2 ; 64.14,1.02 J48.90 ; v1(22.6,49.74) 22.6,49.35 CD6.2 ; v1(21.17,40.93) 21.17,40.16 20.81,39.8 CD10.2 ; v1(71.6,64.35) 71.6,64.36 71.65,64.36 71.91,64.1 71.91,62.61 71.64,62.34 J47.61 ; v1(23.63,45.49) 23.66,45.53 CD15.2 ; v1(77.15,69.49) 77.14,69.48 J47.60 ; C79.2 41.56,46.79 41.87,47.11 v1(41.87,47.21) ; v1(22.63,47.31) 22.7,47.24 CD5.2 ; J48.110 v1(69.14,1) ; J48.59 51.64,8.66 v1(52.1,9.12) ; CD26.2 14.24,56.44 v1(14.42,56.63) ; J48.1 v1(36.67,8.64) ; J47.6 v1(90.64,69.49) ; v1(63.97,9.89) 64.89,9.89 65.14,9.64 J48.93 ; v1(45.42,52.69) 45.19,52.69 44.92,52.42 44.92,51.05 C132.2 ; CD24.2 19.62,44.51 v1(19.18,44.51) ; 83.14,1.02 J48.146
  BOTTOM w0.305: v1(45.42,53.2) 45.42,53.38 45.01,53.8 ; C37.2 40.17,35.68 40.84,36.36 C48.2 41.02,36.56 41.63,37.18 41.63,37.72 v1(41.77,37.86) ; CM7.2 16.29,28.25 17.46,28.25 v1(17.49,28.22) 17.67,28.22 18.32,28.87 CM15.2 ; v1(41.41,49.62) 41.41,49.37 41.92,48.85 41.92,48.68 ; J48.122 77.14,1.28 v1(76.86,1) ; J47.180 v1(36.69,68.12) ; v1(36.62,41.64) 36.62,41.69 36.66,41.73 36.66,41.91 C53.2 ; RM41.1 38.43,20.94 v1(38.72,21.22) ; CD8.2 34.54,50.24 v1(34.02,50.76) ; J47.179 36.52,61.81 36.5,61.84 36.43,61.84 v1(36.42,61.85) ; C76.2 44.95,47.69 v1(44.89,47.63) 44.89,47.2 C275.2 ; v1(13.98,29.72) 13.82,29.55 CM5.2 ; C68.2 42.57,49.12 C66.2 43,49.7 v1(43.39,50.08) 43.76,50.08 C74.2 43.87,50.15 C75.2 ; v1(83.14,1.01) 83.14,1.02 ; J48.32 v1(44.64,1) 44.64,0.99 ; v1(34.28,38.28) 34.42,38.14 C276.2 34.86,37.87 34.52,37.53 C42.2 ; C36.2 43.85,44.56 43.85,43.93 C55.2 ; v1(37.42,40.1) 37.28,39.95 C52.2 36.57,39.95 v1(36.42,40.1) ; J48.165 88.14,7.88 v1(87.86,7.6) ; v1(64.15,1.01) 64.14,1.02 ; J48.60 v1(51.64,1) 51.64,0.95 ; C43.2 36.33,41.06 36.23,41.06 35.97,40.79 35.97,40.67 v1(35.9,40.61) ; v1(24.77,42.08) 24.31,42.54 CD27.2 25.03,42.93 25.34,43.23 CD2.2 ; v1(47.96,48.65) 47.96,48.95 ; v1(28.96,36.87) 29.14,36.69 CM18.2 ; J48.36 45.64,1.02 v1(45.64,1.02) ; J48.120 71.64,1.01 v1(71.64,1) ; v1(66.83,7.58) 66.89,7.53 67.33,7.53 67.64,7.84 J48.103 ; v1(13.99,26.78) 13.47,26.78 12.95,27.29 CM9.2 ; C256.2 40.19,59.82 v1(40.61,59.82) ; J48.119 72.01,8.64 v1(72.12,8.54) ; C47.1 43.05,46.07 v1(42.93,46.19) ; v1(46.64,1.02) J48.40 ; C258.2 42.46,46.61 v1(42.44,46.61) ; J48.2 37.14,1.23 36.91,1 v1(36.88,1) ; R966.1 59.29,10.84 v1(58.83,10.38) ; CM21.2 23.96,31.35 v1(24.35,31.74) 24.43,31.66 RM11.2 ; CD52.2 20.29,50.78 20.56,51.05 21.18,51.05 v1(21.22,51.09) 21.34,51.21 CD22.2 ; C15.2 42.9,57.76 v1(43.53,57.76) ; v1(92.25,61.81) J47.1
  BOTTOM w0.381: CD54.2 30.84,54.22 v1(31.43,54.8) ; v1(32.32,18.61) 32.42,18.51 32.96,18.51 33,18.56 CM54.2 CM32.2 ; v1(33.91,47.64) 33.95,47.6 CD43.2 35.22,47.6 CD44.2 35.3,47.65 v1(35.87,47.65) ; C50.2 39.23,39.96 38.58,40.61 v1(38.42,40.61) ; CD34.2 21.87,55.63 v1(21.66,55.84) 21.66,56.25 CD14.2 ; v1(97.62,25.08) 97.33,25.37 97.33,26.82 97.97,27.46 JC1.10 ; C19.2 50.69,50.29 v1(51.11,50.71) ; v1(38.48,49.67) 38.76,49.95 CD57.2 ; v1(55,41.28) 54.8,41.28 ; v1(30.97,29.78) 31.12,29.63 R17.1 ; v1(21.87,41.74) 22.18,41.43 CD30.2 ; v1(19.78,55.89) 19.79,55.88 19.79,55.81 19.84,55.68 19.98,55.54 CD29.2 ; v1(32.36,15.26) 32.66,14.96 CM26.2 33.98,14.96 CM25.2 ; CM28.2 38.19,15.67 v1(38.01,15.85) ; 45,50.45 C132.2 ; 45,50.45 45.34,50.12 C274.2 ; 45,50.45 C75.2 ; R376.1 52.93,30.57 v1(53.19,30.31) 52.93,30.06 R20.1 51,30.06 R377.1 ; RD5.2 31.5,47.66 31.3,47.47 CD58.2 ; v1(44.24,35.25) 44.35,35.37 C268.2 45.21,35.37 45.63,34.95 R11.2 ; v1(41.77,37.86) 41.77,38.17 C40.2 ; C21.2 36.97,31.5 v1(36.97,31.71) ; v1(41.41,49.62) 41.37,49.65 C58.2 ; v1(47.42,53.2) 47.57,53.34 C14.2 ; v1(36.42,40.1) 36.24,39.91 CM4.2 CM3.2 ; 56.79,51.01 C72.2 ; JC1.11 100.15,12.86 v1(100.77,13.48) ; v1(24.87,53.97) 24.87,53.06 CD1.2 ; 55.01,39.65 55.91,39.65 v1(56.26,40) ; v1(17.11,51.8) 17.37,52.06 CD23.2 ; CD55.2 32.52,52.94 32.9,52.56 v1(32.9,52.15) ; C271.2 40.15,47.64 39.7,47.2 39.23,47.2 38.94,47.49 38.94,47.54 v1(38.9,47.57) 38.57,47.24 CD38.2 ; v1(51.87,49.62) 51.92,49.62 51.96,49.57 51.97,49.57 52.06,49.48 C248.2 C247.2 C250.2 C249.2 55.22,49.17 v1(55.73,49.17) ; CD56.2 15.53,56.96 v1(15.24,56.67) 15.22,56.64 CD31.2 ; CD20.2 18.19,55.76 v1(17.79,55.76) 17.56,55.53 CD33.2
  BOTTOM w0.508: 53.03,57.4 53.14,57.29 C11.2 ; 53.03,57.4 C12.2 ; 53.03,57.4 53,57.43 51.84,57.43 51.23,58.05 C13.2 50.09,58.05 v1(50.08,58.04) ; v1(37.01,19.27) 37.83,19.27 CM27.2 ; C19.2 50.08,49.56 C73.2 ; v1(33.45,36.9) 33.45,36.86 32.88,36.29 RM3.1 ; v1(51.11,50.71) 50.81,51.01 C18.2 ; 54.53,50.34 54.23,50.04 C250.2 ; 54.53,50.34 55.15,50.96 C64.2 55.54,51.01 C72.2 ; 54.53,50.34 54.24,50.63 v1(53.57,50.63) ; CM1.2 32.7,24.34 CM2.2 32.68,23.79 v1(32.52,23.63) ; v1(56.59,32.34) 56.13,32.81 C243.2 ; C71.2 57.38,51.01 56.79,51.01 ; C71.2 C63.2 ; C71.2 57.47,51.11 C131.2 ; C39.2 36.64,25.94 36.87,26.16 37.59,26.16 v1(37.66,26.08) ; J24.5 106.47,65.78 ; J24.5 105.42,64.72 ; J24.5 105.42,66.83 ; J24.5 104.36,65.78 ; v1(51.9,46.65) 51.9,46.49 52.01,46.49 53.38,45.12 53.38,43.99 C54.2 53.34,43.86 53.34,43 C34.2 53.67,42.67 C45.2 53.67,41.81 54.18,41.3 C130.2 54.18,40.25 54.78,39.65 55.01,39.65 ; v1(43.26,22.64) 43.3,22.68 C20.2 ; v1(50.05,16.06) 50.39,16.41 C241.2 ; v1(28.57,68.13) 28.96,68.13 C9.2 ; CM39.2 42.11,16.41 CM35.2 42.81,16.4 v1(43.05,16.64) ; CD16.2 12.11,40.18 v1(12.03,40.26) 11.94,40.35 CD21.2 ; 104.36,63.28 J24.4 ; J24.4 105.42,62.22 ; J24.4 105.42,64.33 ; J24.4 106.47,63.28 ; J44.1 7.7,19.01 ; J44.1 7.7,17.71 ; J44.1 6.5,18.36 ; CP74.2 94.75,49.34 CP105.1 94.77,49.94 95.28,50.45 v1(95.3,50.45) ; 103.99,36.87 QL2.2 ; 103.99,36.87 104.55,36.87 104.72,37.03 v1(104.73,37.03) ; 103.99,36.87 102.99,36.87 RL12.1 ; C41.2 38.78,36.58 v1(38.3,36.1) 37.86,35.66 C51.2 ; v1(91.77,48.86) 91.29,48.38 CP92.2 ; v1(54.39,34.48) 53.92,34.95 C240.2 ; v1(57.56,30.49) 57.56,30.48 56.79,30.48 56.54,30.72 55.77,30.72 55.75,30.74 55.54,30.74 55.52,30.76 R9.2 55.48,30.15 56.05,29.58 R6.1 ; RM10.1 v1(11.53,30.16) ; 3.52,9.07 J44.4 ; J44.4 2.57,9.72 ; J44.4 3.52,10.37 ; J44.4 4.48,9.72 ; 7.7,9.07 J44.2 ; J44.2 8.91,9.72 ; J44.2 7.7,10.37 ; J44.2 6.5,9.72 ; CP87.2 94.98,45.25 v1(95.67,44.56) ; R142.2 108.04,50.62 D8.1 108.05,51.68 v1(107.99,51.74) ; v1(42.36,47.71) 42.3,47.71 42.2,47.81 C270.2 ; J44.3 4.48,18.36 ; J44.3 2.57,18.36 ; J44.3 3.52,17.71 ; J44.3 3.52,19.01 ; CD18.2 23.33,51.7 v1(23.51,51.52) ; CP80.2 v1(95.53,43.87) ; v1(98.23,13.34) 98.71,12.86 JC1.11 ; JC1.12 108.94,28.81 v1(108.23,29.53) ; v1(56.57,26.29) 56.09,26.29 55.39,25.59 R13.1 55.2,25.6 R7.2 ; RL225.2 v1(110.38,1.65) ; CM10.2 11.88,24.29 CM11.2 v1(11.88,23.69) ; RM9.1 17.59,24.49 CM17.2 18.57,24.5 v1(18.74,24.32) ; C246.2 53.14,29.25 53.73,29.84 v1(53.92,29.84)
  vias: v1(1,66.89) v1(1,61.81) v1(1.03,59.3) v1(1.02,56.97) v1(1.02,51.89) v1(1.02,46.81) v1(1.02,41.73) v1(1.02,36.65) v1(0.98,30.11) v1(1.03,21.53) v1(1.02,16.32) v1(1.02,11.24) v1(1.02,6.16) v1(1.04,1.04) v1(1.05,69.45) v1(1.74,62.75) v1(1.7,60.8) v1(1.93,1.81) v1(2.04,7.6) v1(2.22,68.41) v1(2.3,20.45) v1(2.46,36.41) v1(3.26,15.32) v1(3.86,35.02) v1(4.7,7.9) v1(4.85,18.8) v1(4.86,17.5) v1(5.19,68.78) v1(5.89,55.59) v1(6.02,51.4) v1(6.02,44.29) v1(6.45,1.06) v1(6.75,14.25) v1(6.95,69.45) v1(7.18,12.73) v1(7.64,1.02) v1(8.35,68.16) v1(8.4,63.44) v1(8.65,7.75) v1(8.9,8.94) v1(9.14,3.16) v1(9.24,1.84) v1(9.4,13.76) v1(9.58,15.16) v1(9.7,67.53) v1(9.95,65.63) v1(10.21,60.59) v1(10.17,8.59) v1(10.36,68.69) v1(10.44,43.99) v1(10.41,42.71) v1(10.71,55.85) v1(10.71,54.83) v1(10.71,53.94) v1(10.71,52.8) v1(10.71,51.78) v1(10.71,50.51) v1(10.71,49.5) v1(10.97,37.94) v1(11.41,67.38) v1(11.6,1.01) v1(11.96,47.97) v1(12.44,68.66) v1(12.83,63.28) v1(12.88,65.32) v1(13.73,67.33) v1(14.61,68.65) v1(15,65.32) v1(15.42,0.98) v1(15.54,35.78) v1(16.05,67.31) v1(16.96,69.45) v1(17.39,68.62) v1(17.39,65.31) v1(18.79,67.25) v1(19.7,65.28) v1(19.73,61.18) v1(20.04,68.6) v1(21.28,67.17) v1(21.32,0.98) v1(21.41,65.27) v1(22.1,68.89) v1(22.86,69.45) v1(24.43,61.31) v1(25.08,7.4) v1(26.48,7.45) v1(27.97,7.41) v1(29.74,61.47) v1(29.75,60.95) v1(30.16,60.22) v1(30.58,24.09) v1(31.48,0.98) v1(33.02,69.45) v1(34.05,60.05) v1(37.02,5.5) v1(37.71,69.5) v1(42.35,0.98) v1(42.99,5.49) v1(43.53,59.36) v1(43.8,31.26) v1(43.82,30.72) v1(43.9,69.5) v1(45.97,5.46) v1(46.06,16.69) v1(46.07,16.15) v1(46.37,15.61) v1(46.64,16.69) v1(46.66,16.16) v1(47.43,0.98) v1(47.77,65) v1(48.31,5.48) v1(48.97,69.45) v1(49.44,5.48) v1(51.65,69.5) v1(52.27,1) v1(52.43,46.62) v1(52.74,69.45) v1(53.47,5.49) v1(53.81,69.48) v1(54.29,47.03) v1(54.87,69.46) v1(55.88,69.45) v1(55.93,6.88) v1(56.5,8.46) v1(56.5,4.2) v1(57.52,7.62) v1(57.98,4.54) v1(58.89,69.48) v1(59.25,4.56) v1(60.52,4.53) v1(60.89,11.38) v1(61.24,11.78) v1(61.36,39.59) v1(61.62,63.3) v1(61.94,39) v1(61.86,4.53) v1(62.59,63.3) v1(62.59,45.27) v1(62.56,38.38) v1(63,11.69) v1(62.97,11.04) v1(63.07,37.87) v1(63.36,44.21) v1(63.38,4.59) v1(63.42,4.03) v1(63.57,12.77) v1(63.74,63.25) v1(63.97,69.48) v1(64.12,5.55) v1(64.21,4.59) v1(64.45,52.04) v1(64.74,52.51) v1(64.88,63.25) v1(65.34,4.58) v1(66.47,53.64) v1(66.57,4.56) v1(67.12,63.93) v1(67.85,4.59) v1(67.99,39.65) v1(68.33,64.16) v1(68.84,47.37) v1(68.87,46.75) v1(69.01,4.61) v1(69.05,69.48) v1(69.44,64.35) v1(69.39,47.34) v1(69.39,46.75) v1(69.93,47.35) v1(69.92,46.76) v1(70.47,64.35) v1(71.96,60.75) v1(72.27,69.47) v1(72.59,1) v1(73.17,60.92) v1(73.26,65.85) v1(73.68,66.47) v1(73.7,52.55) v1(74.13,69.48) v1(74.12,62.08) v1(74.23,60.85) v1(74.39,67.1) v1(74.89,51.73) v1(75.25,61.09) v1(75.27,5.5) v1(75.42,62.32) v1(75.36,4.9) v1(76.05,66.94) v1(76.8,38.41) v1(76.78,37.87) v1(76.8,37.31) v1(76.8,36.76) v1(76.94,4.91) v1(78.11,6.38) v1(78.4,69.47) v1(78.4,3.89) v1(79.1,7.35) v1(79.65,29.61) v1(79.65,29.09) v1(79.77,31.33) v1(79.77,30.78) v1(79.75,3.36) v1(79.87,66.68) v1(80.2,63.4) v1(80.23,6.33) v1(80.3,33.82) v1(80.57,7.38) v1(80.94,66.68) v1(80.86,4.18) v1(81.72,6.73) v1(81.91,4) v1(82.01,66.68) v1(82.62,4.75) v1(82.84,6.76) v1(82.95,65.51) v1(83.07,66.68) v1(83.27,51.8) v1(83.47,47.19) v1(83.62,51.49) v1(83.6,10.27) v1(83.92,46.25) v1(83.95,45.54) v1(83.95,44.81) v1(83.96,44.1) v1(84.14,66.68) v1(84.18,4.78) v1(84.39,5.49) v1(84.71,11.92) v1(84.76,10.32) v1(84.92,46.23) v1(84.92,45.52) v1(84.92,44.78) v1(85.07,47.14) v1(85.21,66.68) v1(85.8,46.23) v1(85.83,45.52) v1(85.83,44.81) v1(85.83,44.1) v1(85.83,12.02) v1(85.93,64.24) v1(86.01,39.9) v1(85.96,10.27) v1(86.27,66.68) v1(86.36,39.52) v1(86.69,47.07) v1(86.69,46.23) v1(86.69,45.49) v1(86.69,44.81) v1(86.72,44.1) v1(86.72,43.41) v1(86.7,5.5) v1(86.94,13.2) v1(87.02,1) v1(87.11,10.27) v1(87.34,66.68) v1(87.61,64.2) v1(87.63,30.65) v1(87.63,30.04) v1(87.73,49.14) v1(87.73,47.5) v1(87.72,46.74) v1(87.71,5.48) v1(87.84,32.31) v1(88.1,30.44) v1(88.11,29.87) v1(88.41,66.68) v1(88.4,47.51) v1(88.56,69.47) v1(89.42,65.52) v1(89.47,66.68) v1(90.52,66.66) v1(91.38,64.95) v1(91.8,19.29) v1(91.9,19.99) v1(92.37,56.27) v1(92.75,55.82) v1(92.97,56.28) v1(93.4,16.46) v1(93.54,56.23) v1(93.49,21.71) v1(93.52,13.58) v1(93.55,14.13) v1(93.59,5.49) v1(93.83,41.57) v1(93.84,41.05) v1(94.2,40.01) v1(94.2,39.44) v1(94.21,38.16) v1(94.46,69.47) v1(95.11,10.83) v1(95.8,2.59) v1(95.93,1.04) v1(96.9,66.36) v1(96.85,3.72) v1(97.13,1.86) v1(97.18,32.45) v1(97.18,31.91) v1(97.37,8.28) v1(97.6,31.11) v1(100.75,69.47) v1(101.98,23.77) v1(102.81,20.77) v1(102.88,25.29) v1(103.12,67.96) v1(103.08,1) v1(103.27,19.27) v1(103.26,1.85) v1(103.58,6.27) v1(103.68,42.07) v1(103.65,5.75) v1(104.24,22.84) v1(104.27,21.1) v1(104.37,66.85) v1(106.95,67.7) v1(107.26,69.48) v1(107.78,25.84) v1(107.9,22.69) v1(108.04,1.93) v1(108.16,24.22) v1(108.2,1.02) v1(108.26,3.97) v1(108.37,66.56) v1(108.39,58.28) v1(108.84,62.84) v1(109.24,14.6) v1(109.28,38.53) v1(109.26,37.89) v1(109.43,1.91) v1(109.85,56.01) v1(109.94,68.68) v1(110.16,53.95) v1(110.21,51.26) v1(110.2,50.23) v1(110.2,49.11) v1(110.26,63.7) v1(110.5,7.39) v1(110.58,60.88) v1(110.7,64.32) v1(110.85,7.03) v1(111.27,4.07) v1(111.52,67.29) v1(111.67,68.74) v1(111.92,12.3) v1(112.44,66.96) v1(112.44,61.88) v1(112.44,9.08) v1(112.43,1.06) v1(112.46,69.42) v1(112.46,57.03) v1(112.46,51.95) v1(112.46,46.87) v1(112.46,41.79) v1(112.46,36.71) v1(112.46,32.44) v1(112.48,28.71) v1(112.47,26.69) v1(112.46,22.28) v1(112.46,16.39) v1(112.48,12.29) v1(112.47,9.96) v1(112.46,6.23)
